# Altium PCB MiniPC.PcbDoc (part 15 of 23) (continued)
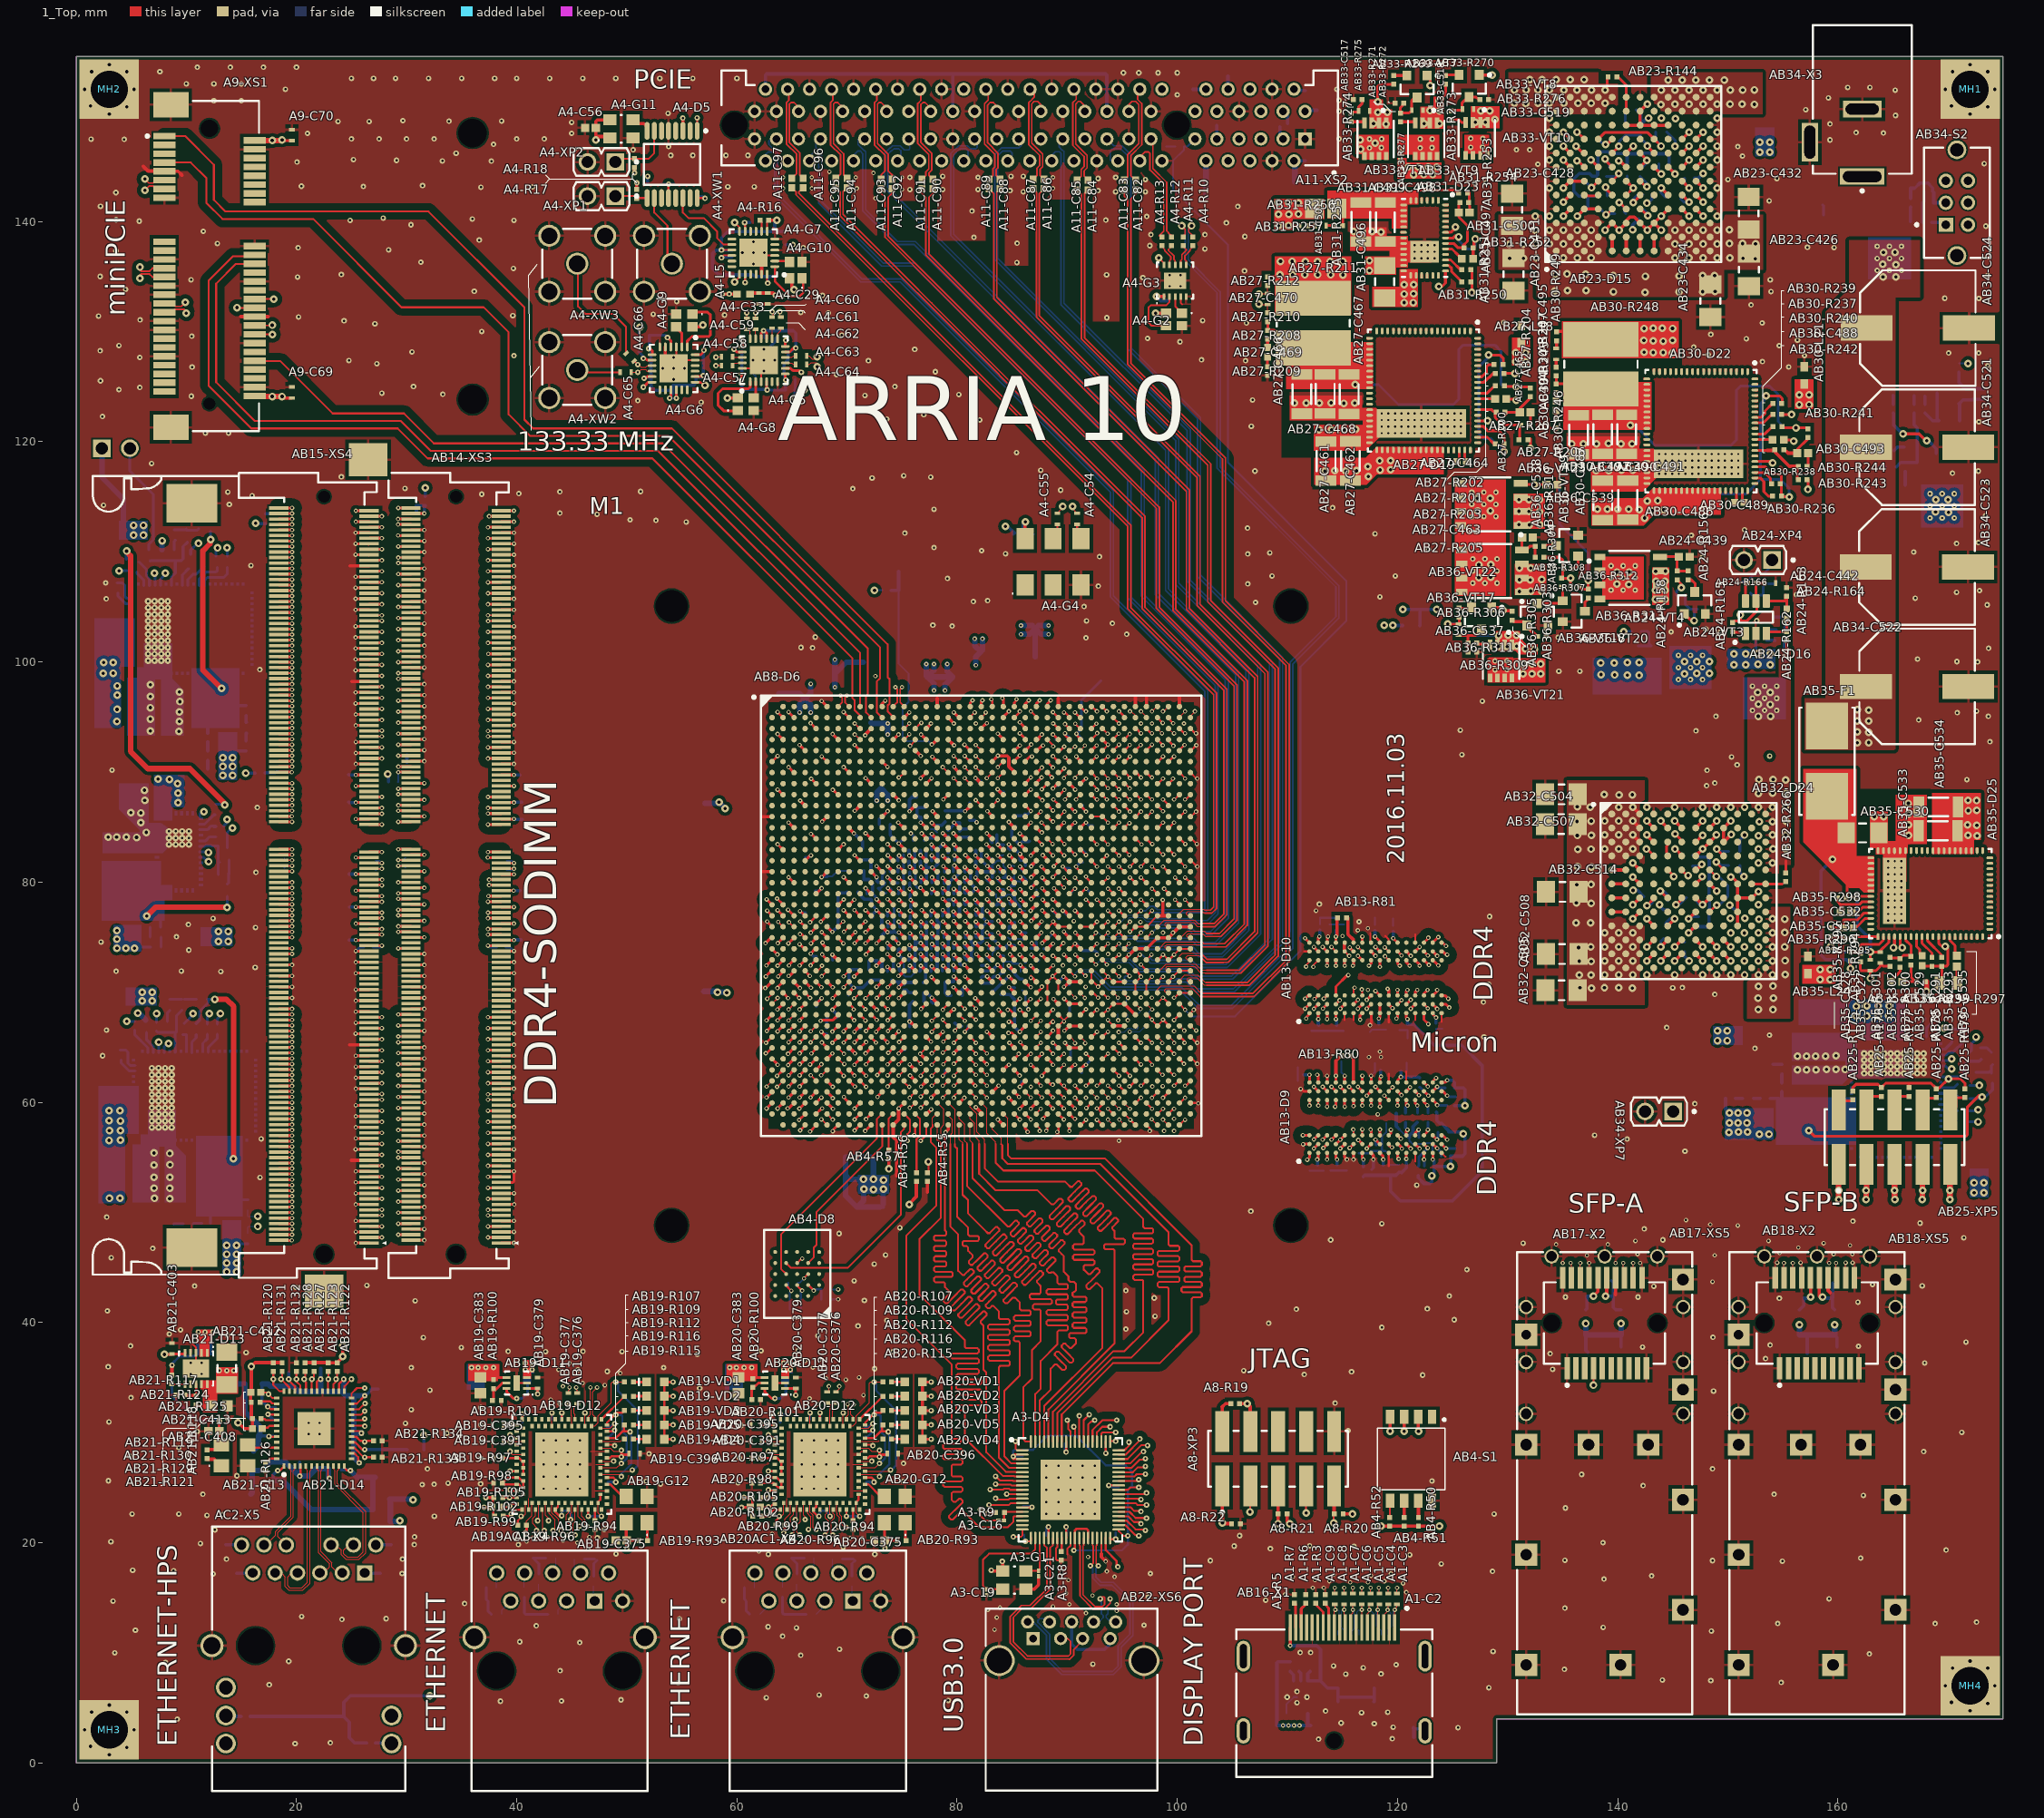
[diagram p0: 1_Top view]
## Nets (pads, with @x,y where several pads share a name; then routed paths per layer and width w, separated by ;. In a path a pad name is that pad's centre, name@x,y a point inside that pad or via, vN(x,y) a via of type N, cw(c..) or ccw(c..) an arc to the next point about the centre after c; other vN are vias at no path point) (continued)
DDR4_INT.DL2.DQ14: AB8-D6.AU24 AB13-D9.D3 | length 47.1
  1_Top w0.25: v1(85.7,59.4) 85.7,59.445 AB8-D6.AU24@86.194,59.939 ; v1(114,56.6) AB13-D9.D3@114.4,57
  7_int6_(sign) w0.15: v1(85.7,59.4) 85.7,59.284 86.119,58.864 86.119,58.263 85.71,57.854 85.71,55.711 89.721,51.7 91.5,51.7 91.6,51.7 91.7,51.8 91.7,52.501 91.8,52.601 92,52.601 92.1,52.501 92.1,51.7 92.2,51.6 92.4,51.6 92.5,51.7 92.5,52.501 92.6,52.601 92.8,52.601 92.9,52.501 92.9,51.7 93,51.6 93.2,51.6 93.3,51.7 ; 93.3,51.61 93.39,51.7 93.7,51.7 94.1,51.7 94.2,51.7 94.4,51.7 94.71,51.7 94.8,51.61 94.9,51.51 95.1,51.51 95.2,51.61 95.2,51.7 95.2,52.501 95.3,52.601 95.5,52.601 95.6,52.501 95.6,51.7 95.7,51.6 95.9,51.6 96,51.7 96,52.501 96.1,52.601 96.3,52.601 96.4,52.501 96.4,51.8 96.5,51.7 96.9,51.7 113.525,51.7 114.025,52.2 114.025,56.575 v1(114,56.6) ; 93.3,51.62 93.3,51.69
DDR4_INT.DL2.DQ15: AB8-D6.AR25 AB13-D9.D7 | length 53.4
  1_Top w0.25: AB8-D6.AR25@87.194,61.939 87.6,61.533 v1(87.6,61.5) ; v1(114.325,59.6) 114.3,59.6 114.312,59.612 114.4,59.7 AB13-D9.D7@114.4,60.2
  7_int6_(sign) w0.15: v1@87.6,61.524 87.624,61.524 87.89,61.79 88.08,61.79 88.59,62.3 92.8,62.3 93.375,62.875 103.125,62.875 105.225,60.775 105.625,60.775 105.725,60.775 105.825,60.875 105.825,61.632 105.925,61.732 106.125,61.732 106.225,61.632 106.225,60.775 106.225,60.453 106.325,60.353 106.525,60.353 106.625,60.453 106.625,60.775 106.625,61.632 106.725,61.732 106.925,61.732 107.025,61.632 107.025,60.775 107.025,60.589 107.125,60.489 107.325,60.489 107.425,60.589 107.425,60.775 107.425,61.632 107.525,61.732 107.725,61.732 107.825,61.632 107.825,60.875 107.925,60.775 108.125,60.775 108.225,60.875 108.225,61.632 108.325,61.732 108.525,61.732 108.625,61.632 108.625,60.875 108.725,60.775 108.925,60.775 109.025,60.875 109.025,61.632 109.125,61.732 109.325,61.732 109.425,61.632 109.425,60.875 109.525,60.775 109.825,60.775 109.85,60.775 111.426,60.775 111.501,60.7 116.699,60.7 117.024,61.025 117.774,61.025 117.999,60.8 118.399,60.8 118.624,61.025 118.976,61.025 119.53,60.471 119.53,58.63 119.1,58.2 114.8,58.2 114.4,58.6 114.4,59.6 v1(114.325,59.6)
DDR4_INT.DL2.DQS1_N: AB8-D6.AT24 AB13-D9.A7 | length 50.7
  1_Top w0.15: AB8-D6.AT24@86.194,60.939 v1(86.694,60.439) ; v1(112,59.7) AB13-D9.A7@112,60.2
  7_int6_(sign) w0.13: v1(86.694,60.439) 86.694,60.186 86.77,60.11 86.86,60.11 87.575,60.825 88.036,60.825 88.255,61.044 102.595,61.044 103.14,60.499 103.14,56.99 102.91,56.76 99.509,56.76 99.3,56.551 99.3,55.7 99.7,55.3 101.012,55.3 101.24,55.072 101.24,54.777 101.327,54.69 101.543,54.69 101.63,54.777 101.63,55.726 101.858,55.954 102.272,55.954 102.5,55.726 102.5,55.387 102.587,55.3 104.2,55.3 104.5,55.6 104.5,58.2 104.7,58.4 105.9,58.4 106.14,58.16 106.14,55.3 106.44,55 107.261,55 107.4,55.139 107.4,56.739 107.701,57.04 109.64,57.04 112,59.4 v1(112,59.7)
DDR4_INT.DL2.DQS1_P: AB8-D6.AT25 AB13-D9.B7 | length 51.1
  1_Top w0.15: AB8-D6.AT25@87.194,60.939 v1(87.694,60.439) ; v1(112.8,59.7) AB13-D9.B7@112.8,60.2
  7_int6_(sign) w0.13: v1(87.694,60.439) 87.694,60.056 87.817,59.933 88.063,59.933 88.19,60.06 88.19,60.64 88.354,60.804 102.496,60.804 102.9,60.4 102.9,57.089 102.811,57 99.41,57 99.06,56.65 99.06,55.601 99.601,55.06 100.913,55.06 101,54.973 101,54.678 101.228,54.45 101.642,54.45 101.87,54.678 101.87,55.627 101.957,55.714 102.173,55.714 102.26,55.627 102.26,55.288 102.488,55.06 104.299,55.06 104.74,55.501 104.74,58.04 104.86,58.16 105.74,58.16 105.9,58 105.9,55.201 106.341,54.76 107.36,54.76 107.64,55.04 107.64,56.64 107.8,56.8 109.739,56.8 112.339,59.4 112.7,59.4 112.8,59.5 v1(112.8,59.7) v1@112.639,59.7
DDR4_INT.DL3.DM2: AB8-D6.AK23 AB13-D10.E7 | length 53.8
  1_Top w0.25: v1(84.7,67.3) 84.8,67.4 85.194,67.006 AB8-D6.AK23@85.194,66.939 ; v1(115.2,72.4) AB13-D10.E7@115.2,72.9
  5_int4_(sign) w0.15: v1(84.7,67.3) 85.18,67.78 86.935,67.78 88.045,68.89 88.045,69.675 88.4,70.03 103.02,70.03 103.99,71 103.99,80.107 104.943,81.06 109.41,81.06 110.44,80.03 110.44,78.72 110.44,78.62 110.54,78.52 110.64,78.42 110.64,78.22 110.54,78.12 110.44,78.12 109.87,78.12 109.77,78.02 109.77,77.82 109.87,77.72 110.44,77.72 110.5,77.72 110.6,77.62 110.6,77.42 110.5,77.32 110.44,77.32 109.87,77.32 109.77,77.22 109.77,77.02 109.87,76.92 110.44,76.92 110.5,76.92 110.6,76.82 110.6,76.62 110.5,76.52 ; 110.51,76.52 110.531,76.52 ; 110.54,76.52 110.44,76.42 110.44,75.65 110.44,73.41 110.9,72.95 114.65,72.95 v1(115.2,72.4)
DDR4_INT.DL3.DQ16: AB8-D6.AN23 AB13-D10.G2 | length 46
  1_Top w0.25: AB8-D6.AN23@85.194,63.939 85.627,64.373 85.655,64.4 v1(85.6,64.4) ; v1(116.4,68.5) AB13-D10.G2@116.8,68.9
  5_int4_(sign) w0.15: v1(85.6,64.4) 86.1,64.9 100.064,64.9 100.189,65.025 101.644,65.025 ; 101.644,65.025 102.95,65.025 103.88,65.955 104.382,66.457 ; 104.382,66.457 104.477,66.552 104.917,66.992 105.381,67.456 106.5,67.456 106.7,67.456 107,67.456 107.1,67.356 107.1,65.783 107.2,65.683 107.4,65.683 107.5,65.783 107.5,67.356 107.6,67.456 107.8,67.456 107.9,67.356 107.9,66.412 108,66.312 108.2,66.312 108.3,66.412 108.3,67.456 109.756,67.456 110.1,67.8 110.1,69.2 110.295,69.395 110.905,69.395 111,69.3 111,67.25 111.2,67.05 114.95,67.05 114.95,67.1 115.275,67.425 115.275,69.45 115.35,69.525 115.675,69.525 115.8,69.4 115.8,68.45 115.975,68.275 116.175,68.275 v1(116.4,68.5)
DDR4_INT.DL3.DQ17: AB8-D6.AL23 AB13-D10.F7 | length 54.2
  1_Top w0.25: v1(84.67,66.3) 84.979,66.3 85.339,65.939 AB8-D6.AL23@85.194,65.939 ; v1(115.95,72.4) 116,72.45 AB13-D10.F7@116,72.9
  5_int4_(sign) w0.15: v1(84.67,66.3) 84.07,66.9 84.07,67.44 84.5,67.87 84.78,67.87 85.19,68.28 85.19,69.86 86.205,70.875 102.795,70.875 103.48,71.56 103.48,80.319 104.731,81.57 109.91,81.57 111.17,80.31 111.17,73.85 111.59,73.43 114.869,73.43 115.899,72.4 v1(115.95,72.4)
DDR4_INT.DL3.DQ18: AB8-D6.AN26 AB13-D10.H3 | length 54
  1_Top w0.25: AB8-D6.AN26@88.194,63.939 88.239,63.939 88.7,63.479 v1(88.7,63.4) ; v1(117.2,69.3) AB13-D10.H3@117.6,69.7
  5_int4_(sign) w0.15: v1(88.7,63.4) 89.225,62.875 92.162,62.875 92.662,63.375 95.7,63.375 96.445,62.63 97.855,62.63 98.675,63.45 99.7,63.45 100.475,62.675 101.1,62.675 101.35,62.925 101.35,63.65 101.6,63.9 101.74,63.9 101.84,63.9 101.94,64 102.04,64.1 102.24,64.1 102.34,64 102.34,63.9 102.34,62.506 102.44,62.406 102.64,62.406 102.74,62.506 102.74,63.8 102.84,63.9 103.04,63.9 103.14,63.8 103.14,63.482 103.24,63.382 103.44,63.382 103.54,63.482 103.54,63.9 103.64,64 103.84,64 103.94,63.9 103.94,63.631 104.04,63.531 104.24,63.531 104.34,63.631 104.34,63.9 104.34,64.448 104.44,64.548 104.64,64.548 104.74,64.448 104.74,64 104.84,63.9 106.2,63.9 107.6,63.9 109.51,65.81 111.69,65.81 113.1,64.4 113.489,64.4 113.5,64.4 113.71,64.61 113.71,65.9 113.8,65.99 114.01,65.99 114.1,65.9 114.1,64.6 114.2,64.5 114.5,64.5 114.6,64.6 114.6,65.8 114.7,65.9 114.9,65.9 115,65.8 115,64.6 115.1,64.5 115.4,64.5 115.5,64.6 115.5,66.279 115.921,66.7 116.2,66.7 116.3,66.6 116.3,64.5 116.4,64.4 116.8,64.4 117.025,64.625 117.025,64.905 117.415,65.295 117.415,66.185 117.025,66.575 117.025,67.6 117.625,68.2 117.625,68.875 v1(117.2,69.3)
DDR4_INT.DL3.DQ19: AB8-D6.AM24 AB13-D10.H7 | length 53.9
  1_Top w0.25: v1(85.733,65.467) 85.733,65.4 AB8-D6.AM24@86.194,64.939 ; v1(117.4,72.4) 117.6,72.6 AB13-D10.H7@117.6,72.9
  5_int4_(sign) w0.15: v1(85.733,65.467) 85.767,65.467 87.2,66.9 88.04,66.9 88.275,67.135 88.275,67.615 88.63,67.97 88.87,67.97 89.82,68.92 103.52,68.92 104.5,69.9 104.5,79.896 105.154,80.55 108.475,80.55 109.2,79.825 109.2,72.5 109.88,71.82 111.441,71.82 111.811,71.45 114.37,71.45 114.895,71.975 115.696,71.975 115.831,71.84 116.84,71.84 v1(117.4,72.4)
DDR4_INT.DL3.DQ20: AB8-D6.AN24 AB13-D10.H2 | length 46.3
  1_Top w0.25: AB8-D6.AN24@86.194,63.939 86.194,63.994 86.6,64.4 v1(86.7,64.4) ; v1(117.2,68.5) AB13-D10.H2@117.6,68.9
  5_int4_(sign) w0.15: v1(86.7,64.4) 87.225,63.875 99.925,63.875 100.46,64.41 100.67,64.41 100.77,64.41 100.87,64.51 100.87,64.6 100.97,64.7 101.17,64.7 101.27,64.6 101.27,64.41 101.27,64.324 101.37,64.224 101.57,64.224 101.67,64.324 ; 101.67,64.31 101.77,64.41 101.81,64.41 103.21,64.41 103.9,65.1 104.074,65.274 104.215,65.274 104.3,65.189 104.441,65.189 104.583,65.33 104.583,65.472 104.427,65.627 104.421,65.633 104.421,65.775 104.563,65.916 104.704,65.916 104.71,65.91 104.879,65.741 105.02,65.741 105.162,65.883 105.162,66.024 104.993,66.193 104.987,66.199 104.987,66.34 105.128,66.482 105.27,66.482 105.282,66.482 105.559,66.759 105.7,66.9 106.1,66.9 106.3,66.7 106.3,66.3 106.041,66.041 105.9,65.9 105.4,65.4 105.2,65.2 105.2,64.76 105.36,64.6 105.725,64.6 105.925,64.6 106.235,64.6 106.325,64.51 106.425,64.41 106.625,64.41 106.725,64.51 106.815,64.6 107.125,64.6 107.5,64.6 107.641,64.741 107.854,64.954 107.854,65.095 107.764,65.184 107.764,65.326 107.906,65.467 108.047,65.467 108.136,65.378 108.278,65.378 108.419,65.519 108.419,65.661 108.415,65.665 108.415,65.806 108.557,65.947 108.698,65.947 108.702,65.944 108.844,65.944 109.056,66.156 109.338,66.438 109.4,66.5 109.6,66.5 109.9,66.5 110,66.6 110,66.98 110.1,67.08 110.3,67.08 110.4,66.98 110.4,66.5 110.4,66.42 110.5,66.32 110.7,66.32 110.8,66.42 110.8,66.5 110.8,66.594 110.9,66.694 111.1,66.694 111.2,66.594 111.2,66.5 111.2,66.42 111.3,66.32 111.5,66.32 111.6,66.42 111.6,66.5 111.6,66.58 111.7,66.68 111.9,66.68 112,66.58 112,66.5 112,66.221 112.1,66.121 112.3,66.121 112.4,66.221 112.4,66.5 112.4,66.58 112.5,66.68 112.7,66.68 112.8,66.58 112.8,66.5 112.8,65.421 112.9,65.321 113.1,65.321 113.2,65.421 113.2,66.4 113.3,66.5 113.6,66.5 114,66.5 114.025,66.5 115,66.5 115.141,66.641 115.424,66.924 115.595,67.095 116.175,67.675 ; 101.67,64.311 101.67,64.323 ; 116.175,67.676 116.574,68.075 116.975,68.075 117.2,68.3 v1(117.2,68.5)
DDR4_INT.DL3.DQ21: AB8-D6.AK26 AB13-D10.H8 | length 52.5
  1_Top w0.25: AB8-D6.AK26@88.194,66.939 88.7,67.445 v1(88.7,67.3) ; AB13-D10.H8@117.6,73.7 v1(118,73.3)
  5_int4_(sign) w0.15: v1(88.7,67.3) 89.34,67.94 103.34,67.94 105.01,69.61 105.01,78.389 ; 105.01,78.45 105.01,79.685 105.3,79.975 105.53,79.975 105.73,79.975 106.03,79.975 106.13,79.875 106.13,79.771 106.23,79.671 106.43,79.671 106.53,79.771 106.53,79.875 106.63,79.975 106.83,79.975 106.93,79.875 106.93,79.771 107.03,79.671 107.23,79.671 107.33,79.771 107.33,79.875 107.43,79.975 107.57,79.975 108.1,79.975 108.61,79.465 108.61,71.831 109.231,71.21 111.17,71.21 111.38,71 114.912,71 115.037,71.125 115.701,71.125 115.966,71.39 117.36,71.39 117.95,71.98 117.95,73.25 v1(118,73.3)
DDR4_INT.DL3.DQ22: AB8-D6.AP26 AB13-D10.J3 | length 53.9
  1_Top w0.25: v1(87.7,62.4) 87.7,62.445 AB8-D6.AP26@88.194,62.939 ; v1(118,70.1) AB13-D10.J3@118.4,69.7
  5_int4_(sign) w0.15: v1(87.7,62.4) 93.9,62.4 94.275,62.025 102.935,62.025 103.8,62.89 105.477,62.89 105.827,63.24 107.661,63.24 107.723,63.302 107.865,63.443 108.077,63.655 108.218,63.655 108.339,63.534 108.481,63.534 108.622,63.676 108.622,63.817 108.501,63.938 108.501,64.08 108.642,64.221 108.784,64.221 109.441,63.564 109.583,63.564 109.724,63.705 109.724,63.846 109.067,64.504 109.067,64.645 109.173,64.752 109.521,65.1 111.1,65.1 111.4,64.8 111.471,64.729 111.612,64.729 111.76,64.877 111.902,64.877 112.043,64.736 112.043,64.594 111.895,64.446 111.895,64.305 111.9,64.3 112.6,63.6 112.9,63.6 113.1,63.6 113.4,63.6 113.5,63.5 113.5,62.925 113.6,62.825 113.8,62.825 113.9,62.925 113.9,63.6 113.9,63.89 114,63.99 114.2,63.99 114.3,63.89 114.3,63.6 114.3,62.925 114.4,62.825 114.6,62.825 114.7,62.925 114.7,63.6 114.7,63.9 114.8,64 115,64 115.1,63.9 115.1,63.6 115.1,62.925 115.2,62.825 115.4,62.825 115.5,62.925 115.5,63.6 115.5,63.931 115.6,64.031 115.8,64.031 115.9,63.931 115.9,63.6 115.9,62.37 116,62.27 116.2,62.27 116.3,62.37 116.3,63.6 116.3,63.79 116.4,63.89 116.6,63.89 116.7,63.79 116.7,63.6 116.7,62.925 116.8,62.825 117,62.825 117.1,62.925 117.1,63.5 117.2,63.6 117.5,63.6 117.7,63.6 117.925,63.825 117.925,67.176 117.875,67.226 117.875,67.776 117.995,67.896 117.995,68.695 118,68.7 v1(118,70.1)
DDR4_INT.DL3.DQ23: AB8-D6.AL26 AB13-D10.J7 | length 52.4
  1_Top w0.25: AB8-D6.AL26@88.194,65.939 88.7,66.445 v1(88.7,66.5) ; v1(118.4,72.3) AB13-D10.J7@118.4,72.9
  5_int4_(sign) w0.15: v1(88.7,66.5) 88.7,66.583 89.042,66.925 103.075,66.925 105.6,69.45 105.6,78.9 105.85,79.15 106.025,79.15 106.225,79.15 106.525,79.15 106.625,79.05 106.625,78.269 106.725,78.169 106.925,78.169 107.025,78.269 107.025,79.05 107.125,79.15 107.15,79.15 107.825,79.15 108.059,78.916 108.059,71.661 109.02,70.7 110.8,70.7 110.9,70.6 115.036,70.6 115.19,70.755 115.854,70.755 116.119,71.02 117.68,71.02 118.4,71.74 v1(118.4,72.3)
DDR4_INT.DL3.DQS2_N: AB8-D6.AL25 AB13-D10.F3 | length 53.3
  1_Top w0.15: AB8-D6.AL25@87.194,65.939 87.6,66.345 v1(87.6,66.4) ; AB13-D10.F3@116,69.7 116,70.3 v1(116.1,70.4)
  5_int4_(sign) w0.13: v1(87.6,66.4) 87.6,66.09 87.685,66.005 102.862,66.005 105.053,68.196 109.196,68.196 109.3,68.3 109.3,68.6 109.2,68.7 106.47,68.7 106.1,69.07 106.1,77.14 106.38,77.42 107.33,77.42 107.559,77.191 107.559,70.55 107.974,70.135 115.835,70.135 v1(116.1,70.4)
DDR4_INT.DL3.DQS2_P: AB8-D6.AM25 AB13-D10.G3 | length 53.7
  1_Top w0.15: AB8-D6.AM25@87.194,64.939 87.194,64.994 v1(87.6,65.4) ; v1(116.75,70.25) 116.8,70.3 AB13-D10.G3@116.8,69.7
  5_int4_(sign) w0.13: v1(87.6,65.4) 87.965,65.765 102.983,65.765 104.175,66.957 105,67.782 105.174,67.956 109.295,67.956 109.54,68.201 109.54,68.699 109.299,68.94 106.57,68.94 106.34,69.17 106.34,77.041 106.479,77.18 107.231,77.18 107.319,77.091 107.319,70.451 107.875,69.895 116.125,69.895 116.48,70.25 v1(116.75,70.25)
DDR4_INT.DL4.DM3: AB8-D6.AJ26 AB13-D10.E2 | length 46.9
  1_Top w0.25: AB8-D6.AJ26@88.194,67.939 v1@88.677,68.423 ; v1(114.8,68.5) AB13-D10.E2@115.2,68.9
  7_int6_(sign) w0.15: v1(88.7,68.4) 90.6,68.4 91.2,69 102.21,69 102.31,69 102.41,69.1 102.41,69.4 102.51,69.5 102.71,69.5 102.81,69.4 102.81,69 102.81,68.906 102.91,68.806 103.11,68.806 103.21,68.906 103.21,69 103.21,69.4 103.31,69.5 103.51,69.5 103.61,69.4 103.61,69 103.61,68.906 103.71,68.806 103.91,68.806 104.01,68.906 104.01,69 104.01,69.4 104.11,69.5 104.31,69.5 104.41,69.4 104.41,69 104.41,68.906 104.51,68.806 104.71,68.806 104.81,68.906 104.81,69 104.81,69.41 104.91,69.51 105.11,69.51 105.21,69.41 105.21,69 105.21,68.906 105.31,68.806 105.51,68.806 105.61,68.906 105.61,69 105.61,70.048 105.71,70.148 105.91,70.148 106.01,70.048 106.01,69 106.11,68.9 106.31,68.9 106.41,69 106.41,69.77 106.51,69.87 106.71,69.87 106.81,69.77 106.81,69 106.81,68.466 106.91,68.366 107.11,68.366 107.21,68.466 107.21,69 107.21,69.57 107.31,69.67 107.51,69.67 107.61,69.57 107.61,69 107.61,68.169 107.71,68.069 107.91,68.069 108.01,68.169 108.01,69 108.01,69.938 108.11,70.038 108.31,70.038 108.41,69.938 108.41,69 108.41,68.14 108.51,68.04 108.71,68.04 108.81,68.14 108.81,69 108.81,69.37 108.91,69.47 109.11,69.47 109.21,69.37 109.21,69 109.21,68.14 109.31,68.04 109.51,68.04 109.61,68.14 109.61,69 109.61,69.06 109.71,69.16 109.91,69.16 110.01,69.06 110.07,69 110.4,69 110.464,68.936 114.364,68.936 v1(114.8,68.5)
DDR4_INT.DL4.DQ24: AB8-D6.AJ24 AB13-D10.A3 | length 52.7
  1_Top w0.25: v1(85.7,68.4) 85.734,68.4 AB8-D6.AJ24@86.194,67.939 ; v1(111.6,69.4) 111.9,69.7 AB13-D10.A3@112,69.7
  7_int6_(sign) w0.15: v1(85.7,68.4) 86.195,68.895 89.06,68.895 89.25,69.085 89.25,69.71 89.57,70.03 97.99,70.03 98.09,70.03 98.19,70.13 98.19,70.521 98.29,70.621 98.49,70.621 98.59,70.521 98.59,70.03 98.59,69.994 98.69,69.894 98.89,69.894 98.99,69.994 98.99,70.03 98.99,70.521 99.09,70.621 99.29,70.621 99.39,70.521 99.39,70.03 99.39,69.994 99.49,69.894 99.69,69.894 99.79,69.994 99.79,70.03 99.79,70.521 99.89,70.621 100.09,70.621 100.19,70.521 100.19,70.03 100.19,69.369 100.29,69.269 100.49,69.269 100.59,69.369 100.59,70.03 100.59,70.521 100.69,70.621 100.89,70.621 100.99,70.521 100.99,70.03 100.99,69.369 101.09,69.269 101.29,69.269 101.39,69.369 101.39,70.03 101.39,70.521 101.49,70.621 101.69,70.621 101.79,70.521 101.79,70.11 101.87,70.03 104.05,70.03 104.944,70.924 105.144,70.924 105.444,70.924 105.544,70.824 105.544,70.758 105.644,70.658 105.844,70.658 105.944,70.758 105.944,70.924 105.944,72.261 106.044,72.361 106.244,72.361 106.344,72.261 106.344,70.924 106.344,70.48 106.444,70.38 106.644,70.38 106.744,70.48 106.744,70.924 106.744,72.261 106.844,72.361 107.044,72.361 107.144,72.261 107.144,70.924 107.144,70.28 107.244,70.18 107.444,70.18 107.544,70.28 107.544,70.924 107.544,72.261 107.644,72.361 107.844,72.361 107.944,72.261 107.944,70.924 107.944,70.648 108.044,70.548 108.244,70.548 108.344,70.648 108.344,70.924 108.344,71.735 108.444,71.835 108.644,71.835 108.744,71.735 108.744,70.924 108.744,70.326 108.844,70.226 109.044,70.226 109.144,70.326 109.144,70.924 109.144,71.19 109.244,71.29 109.444,71.29 109.544,71.19 109.544,71.024 109.644,70.924 109.67,70.924 110.076,70.924 111.167,69.833 111.554,69.446 111.6,69.446 v1(111.6,69.4)
DDR4_INT.DL4.DQ25: AB8-D6.AF24 AB13-D10.B8 | length 47.1
  1_Top w0.25: AB8-D6.AF24@86.194,70.939 86.194,70.906 86.7,70.4 v1(86.7,70.45) ; v1(112.4,74.1) AB13-D10.B8@112.8,73.7
  7_int6_(sign) w0.15: v1(86.7,70.45) 87.276,71.026 87.276,74.696 87.49,74.91 101.96,74.91 103.18,76.13 103.18,78.955 106.545,82.32 112.481,82.32 114.99,79.811 114.99,76.69 114.1,75.8 112.552,75.8 112.4,75.648 v1(112.4,74.1)
DDR4_INT.DL4.DQ26: AB8-D6.AH25 AB13-D10.C3 | length 47
  1_Top w0.25: AB8-D6.AH25@87.194,68.939 87.194,68.994 v1(87.6,69.4) ; v1@113.278,69.4 v1(113.3,69.4) ; v1(113.3,69.4) 113.3,69.422 113.578,69.7 AB13-D10.C3@113.6,69.7 v1(113.3,69.4)
  7_int6_(sign) w0.15: v1(87.6,69.4) 88.07,69.4 89.56,70.89 103.74,70.89 105.3,72.45 105.3,72.7 105.3,72.9 105.3,73.2 105.4,73.3 106.638,73.3 106.738,73.4 106.738,73.6 106.638,73.7 105.3,73.7 105.22,73.78 105.22,74.02 105.3,74.1 106.638,74.1 106.738,74.2 106.738,74.4 106.638,74.5 105.3,74.5 105.22,74.58 105.22,74.82 105.3,74.9 106.638,74.9 106.738,75 106.738,75.2 106.638,75.3 105.4,75.3 105.3,75.4 105.3,75.525 105.3,75.625 105.3,76.025 106.175,76.9 107.75,76.9 108.78,75.87 108.78,72.92 109.9,71.8 111.37,71.8 111.735,71.435 111.806,71.364 111.947,71.364 112.089,71.364 112.23,71.223 112.23,71.081 112.159,71.011 111.814,70.665 111.814,70.524 111.955,70.382 112.097,70.382 112.371,70.657 112.513,70.657 112.605,70.565 113.3,69.87 v1(113.3,69.4)
DDR4_INT.DL4.DQ27: AB8-D6.AH23 AB13-D10.C7 | length 53.5
  1_Top w0.25: AB8-D6.AH23@85.194,68.939 85.655,69.4 v1(85.7,69.4) ; v1(113.6,72.4) AB13-D10.C7@113.6,72.9
  7_int6_(sign) w0.15: v1(85.7,69.4) 86.325,70.025 87.815,70.025 88.251,70.461 88.251,72.641 88.5,72.89 102.74,72.89 104.2,74.35 104.2,77.1 106.1,79 107.41,79 107.51,79 107.61,79.1 107.61,79.624 107.71,79.724 107.91,79.724 108.01,79.624 108.01,79 108.01,78.164 108.11,78.064 108.31,78.064 108.41,78.164 108.41,79 108.41,79.624 108.51,79.724 108.71,79.724 108.81,79.624 108.81,79.1 108.91,79 113.581,79 113.97,78.611 113.97,77.112 113.678,76.82 110.03,76.82 109.8,76.59 109.8,74.49 110.47,73.82 111.18,73.82 111.705,73.295 112.729,73.295 113.6,72.424 v1(113.6,72.4)
DDR4_INT.DL4.DQ28: AB8-D6.AJ23 AB13-D10.C2 | length 52.9
  1_Top w0.25: v1@84.671,68.329 v1(84.6,68.4) 84.779,68.4 85.239,67.939 AB8-D6.AJ23@85.194,67.939 ; v1(113.233,68.511) 113.211,68.511 AB13-D10.C2@113.6,68.9
  7_int6_(sign) w0.15: v1(84.6,68.4) 84.1,68.9 82.2,68.9 82.1,69 82.1,69.6 82.5,70 84.2,70 85,69.2 85,68.7 85.275,68.425 85.275,68.075 85.496,67.854 86.664,67.854 87.09,68.28 87.999,68.28 88.349,67.93 98.15,67.93 98.25,67.93 98.35,68.03 98.35,68.361 98.45,68.461 98.65,68.461 98.75,68.361 98.75,67.93 98.827,67.853 99.073,67.853 99.15,67.93 99.15,68.361 99.25,68.461 99.45,68.461 99.55,68.361 99.55,68.03 99.65,67.93 100.07,67.93 100.91,67.93 101.33,67.51 102.631,67.51 102.731,67.61 102.731,68.176 102.831,68.276 103.031,68.276 103.131,68.176 103.131,67.51 103.131,67.414 103.231,67.314 103.431,67.314 103.531,67.414 103.531,67.51 103.531,68.176 103.631,68.276 103.831,68.276 103.931,68.176 103.931,67.51 103.931,67.414 104.031,67.314 104.231,67.314 104.331,67.414 104.331,67.51 104.331,68.176 104.431,68.276 104.631,68.276 104.731,68.176 104.731,67.51 104.731,67.414 104.831,67.314 105.031,67.314 105.131,67.414 105.131,67.51 105.131,68.176 105.231,68.276 105.431,68.276 105.531,68.176 105.531,67.51 105.531,67.414 105.631,67.314 105.831,67.314 105.931,67.414 105.931,67.51 105.931,68.271 106.031,68.371 106.231,68.371 106.331,68.271 106.331,67.61 106.431,67.51 106.6,67.51 106.825,67.51 106.925,67.51 107.025,67.61 107.025,67.612 107.125,67.712 107.325,67.712 107.425,67.612 107.425,67.51 107.425,67.41 107.525,67.31 107.725,67.31 107.825,67.41 107.925,67.51 108.225,67.51 108.4,67.51 110.99,67.51 111.5,67 114.451,67 114.825,67.374 114.825,67.726 114.82,67.731 114.82,67.879 114.399,68.299 113.445,68.299 v1(113.233,68.511)
DDR4_INT.DL4.DQ29: AB8-D6.AF25 AB13-D10.C8 | length 52.2
  1_Top w0.25: v1(86.7,71.3) 86.7,71.433 AB8-D6.AF25@87.194,70.939 AB8-D6.AF25@87.061,70.939 ; v1(113.2,74.1) AB13-D10.C8@113.6,73.7
  7_int6_(sign) w0.15: v1(86.7,71.3) 86.63,71.3 86.19,71.74 86.19,75.45 86.64,75.9 101.43,75.9 102.75,77.22 102.75,80.925 105.765,83.94 113.93,83.94 114.73,83.14 115.14,82.73 115.5,82.37 115.5,74.8 114.375,73.675 113.648,73.675 113.223,74.1 v1(113.2,74.1) v1@113.1,74.1
DDR4_INT.DL4.DQ30: AB8-D6.AH24 AB13-D10.D3 | length 53.4
  1_Top w0.25: AB8-D6.AH24@86.194,68.939 86.239,68.939 v1(86.67,69.37) ; AB13-D10.D3@114.4,69.7 114.4,70.5 115.45,71.55 v1(115.52,71.55)
  7_int6_(sign) w0.15: v1(86.67,69.37) 87.075,69.775 87.995,69.775 89.19,70.97 89.19,71.65 89.43,71.89 99.99,71.89 100.09,71.89 100.19,71.99 100.19,72.54 100.29,72.64 100.49,72.64 100.59,72.54 100.59,71.89 100.59,71.24 100.69,71.14 100.89,71.14 100.99,71.24 100.99,71.89 100.99,72.54 101.09,72.64 101.29,72.64 101.39,72.54 101.39,71.89 101.39,71.24 101.49,71.14 101.69,71.14 101.79,71.24 101.79,71.89 101.79,72.54 101.89,72.64 102.09,72.64 102.19,72.54 102.19,71.89 102.19,71.24 102.29,71.14 102.49,71.14 102.59,71.24 102.59,71.79 102.69,71.89 102.99,71.89 103.24,71.89 103.381,72.031 103.594,72.244 103.594,72.385 103.346,72.633 103.346,72.774 103.487,72.916 103.628,72.916 103.947,72.597 104.266,72.278 104.407,72.278 104.549,72.42 104.549,72.561 104.301,72.809 104.301,72.951 104.34,72.99 104.71,73.36 104.71,76.156 105.964,77.41 106.05,77.41 106.25,77.41 106.65,77.41 106.95,77.41 107.05,77.51 107.05,78.39 107.15,78.49 107.35,78.49 107.45,78.39 107.45,77.51 107.55,77.41 107.85,77.41 107.91,77.41 108.82,77.41 109.29,76.94 109.29,74.279 110.644,72.925 112.446,72.925 114.111,71.26 115.23,71.26 v1(115.52,71.55)
DDR4_INT.DL4.DQ31: AB8-D6.AG25 AB13-D10.D7 | length 51.5
  1_Top w0.25: AB8-D6.AG25@87.194,69.939 87.239,69.939 87.7,70.4 v1(87.7,70.5) ; v1(114.4,72.4) AB13-D10.D7@114.4,72.9
  7_int6_(sign) w0.15: v1(87.7,70.5) 87.7,72.65 88.245,73.195 88.245,73.565 88.64,73.96 102.86,73.96 103.69,74.79 103.69,78.4 105.69,80.4 110.5,80.4 110.6,80.4 110.7,80.5 110.8,80.6 111,80.6 111.1,80.5 111.1,80.4 111.1,79.929 111.2,79.829 111.4,79.829 111.5,79.929 111.5,80.35 111.55,80.4 113.68,80.4 114.48,79.6 114.48,76.901 113.889,76.31 110.69,76.31 110.31,75.93 110.31,75.49 112.135,73.665 112.883,73.665 113.243,73.305 114.595,73.305 114.8,73.1 114.8,72.601 114.775,72.576 ; v1(114.4,72.4) 114.6,72.4 114.775,72.575
DDR4_INT.DL4.DQS3_N: AB8-D6.AJ25 AB13-D10.A7 | length 53.4
  1_Top w0.15: v1(86.7,67.4) 87.194,67.894 AB8-D6.AJ25@87.194,67.939 ; v1(111.69,72.32) 111.69,72.46 112,72.77 AB13-D10.A7@112,72.9
  7_int6_(sign) w0.13: v1(86.7,67.4) 87.07,67.77 87.77,67.77 88.23,67.31 88.23,66.31 88.535,66.005 90.095,66.005 90.18,66.09 90.18,67 90.405,67.225 90.815,67.225 91.04,67 91.04,66.09 91.125,66.005 91.335,66.005 91.42,66.09 91.42,67 91.645,67.225 92.055,67.225 92.28,67 92.28,66.09 92.365,66.005 96.405,66.005 96.49,66.09 96.49,66.98 96.715,67.206 97.125,67.206 97.35,66.98 97.35,66.09 97.435,66.005 97.645,66.005 97.73,66.09 97.73,66.66 97.955,66.885 98.365,66.885 98.59,66.66 98.59,66.09 98.675,66.005 100.901,66.005 102.38,66.005 102.678,66.303 103.605,66.303 103.69,66.387 103.69,66.589 103.915,66.814 104.325,66.814 104.55,66.589 104.55,66.387 104.635,66.303 104.845,66.303 104.93,66.387 104.93,66.593 105.155,66.819 105.565,66.819 105.79,66.593 105.79,66.387 105.875,66.303 106.085,66.303 106.17,66.387 106.17,66.784 106.395,67.01 106.805,67.01 107.03,66.784 107.03,66.387 107.115,66.303 107.325,66.303 107.41,66.387 107.41,66.585 107.635,66.81 108.045,66.81 108.27,66.585 108.27,66.387 108.355,66.303 108.565,66.303 108.65,66.387 108.65,66.784 108.875,67.01 109.285,67.01 109.51,66.784 109.51,66.387 109.595,66.303 109.805,66.303 109.89,66.387 109.89,66.784 110.115,67.01 110.525,67.01 110.75,66.784 110.75,66.387 110.835,66.303 115.413,66.303 115.83,66.719 115.83,68.11 115.41,68.53 115.41,70.311 115.241,70.48 113.648,70.48 111.808,72.32 v1(111.69,72.32)
DDR4_INT.DL4.DQS3_P: AB8-D6.AK25 AB13-D10.B7 | length 53.5
  1_Top w0.15: AB8-D6.AK25@87.194,66.939 87.194,66.994 v1(87.6,67.4) ; v1(112.35,72.3) 112.35,72.45 AB13-D10.B7@112.8,72.9
  7_int6_(sign) w0.13: v1@87.6,67.5 v1(87.6,67.4) 87.22,67.4 87.07,67.25 87.07,67.13 87.17,67.03 87.355,67.03 87.445,66.94 87.635,66.94 87.725,67.03 87.91,67.03 87.99,66.95 87.99,66.211 88.436,65.765 90.195,65.765 90.42,65.99 90.42,66.9 90.505,66.985 90.715,66.985 90.8,66.9 90.8,65.99 91.025,65.765 91.435,65.765 91.66,65.99 91.66,66.9 91.745,66.985 91.955,66.985 92.04,66.9 92.04,65.99 92.265,65.765 96.505,65.765 96.73,65.99 96.73,66.881 96.815,66.966 97.025,66.966 97.11,66.881 97.11,65.99 97.335,65.765 97.745,65.765 97.97,65.99 97.97,66.56 98.055,66.645 98.265,66.645 98.35,66.56 98.35,65.99 98.575,65.765 100.801,65.765 102.479,65.765 102.777,66.063 103.705,66.063 103.93,66.288 103.93,66.49 104.015,66.574 104.225,66.574 104.31,66.49 104.31,66.288 104.535,66.063 104.945,66.063 105.17,66.288 105.17,66.494 105.255,66.579 105.465,66.579 105.55,66.494 105.55,66.288 105.775,66.063 106.185,66.063 106.41,66.288 106.41,66.685 106.495,66.77 106.705,66.77 106.79,66.685 106.79,66.288 107.015,66.063 107.425,66.063 107.65,66.288 107.65,66.485 107.735,66.57 107.945,66.57 108.03,66.485 108.03,66.288 108.255,66.063 108.665,66.063 108.89,66.288 108.89,66.685 108.975,66.77 109.185,66.77 109.27,66.685 109.27,66.288 109.495,66.063 109.905,66.063 110.13,66.288 110.13,66.685 110.215,66.77 110.425,66.77 110.51,66.685 110.51,66.288 110.735,66.063 115.513,66.063 116.07,66.62 116.07,68.209 115.65,68.63 115.65,70.41 115.34,70.72 113.747,70.72 112.35,72.117 v1(112.35,72.3)